# Altium PCB StarKit PCB.PcbDoc (part 1 of 2) (continued)
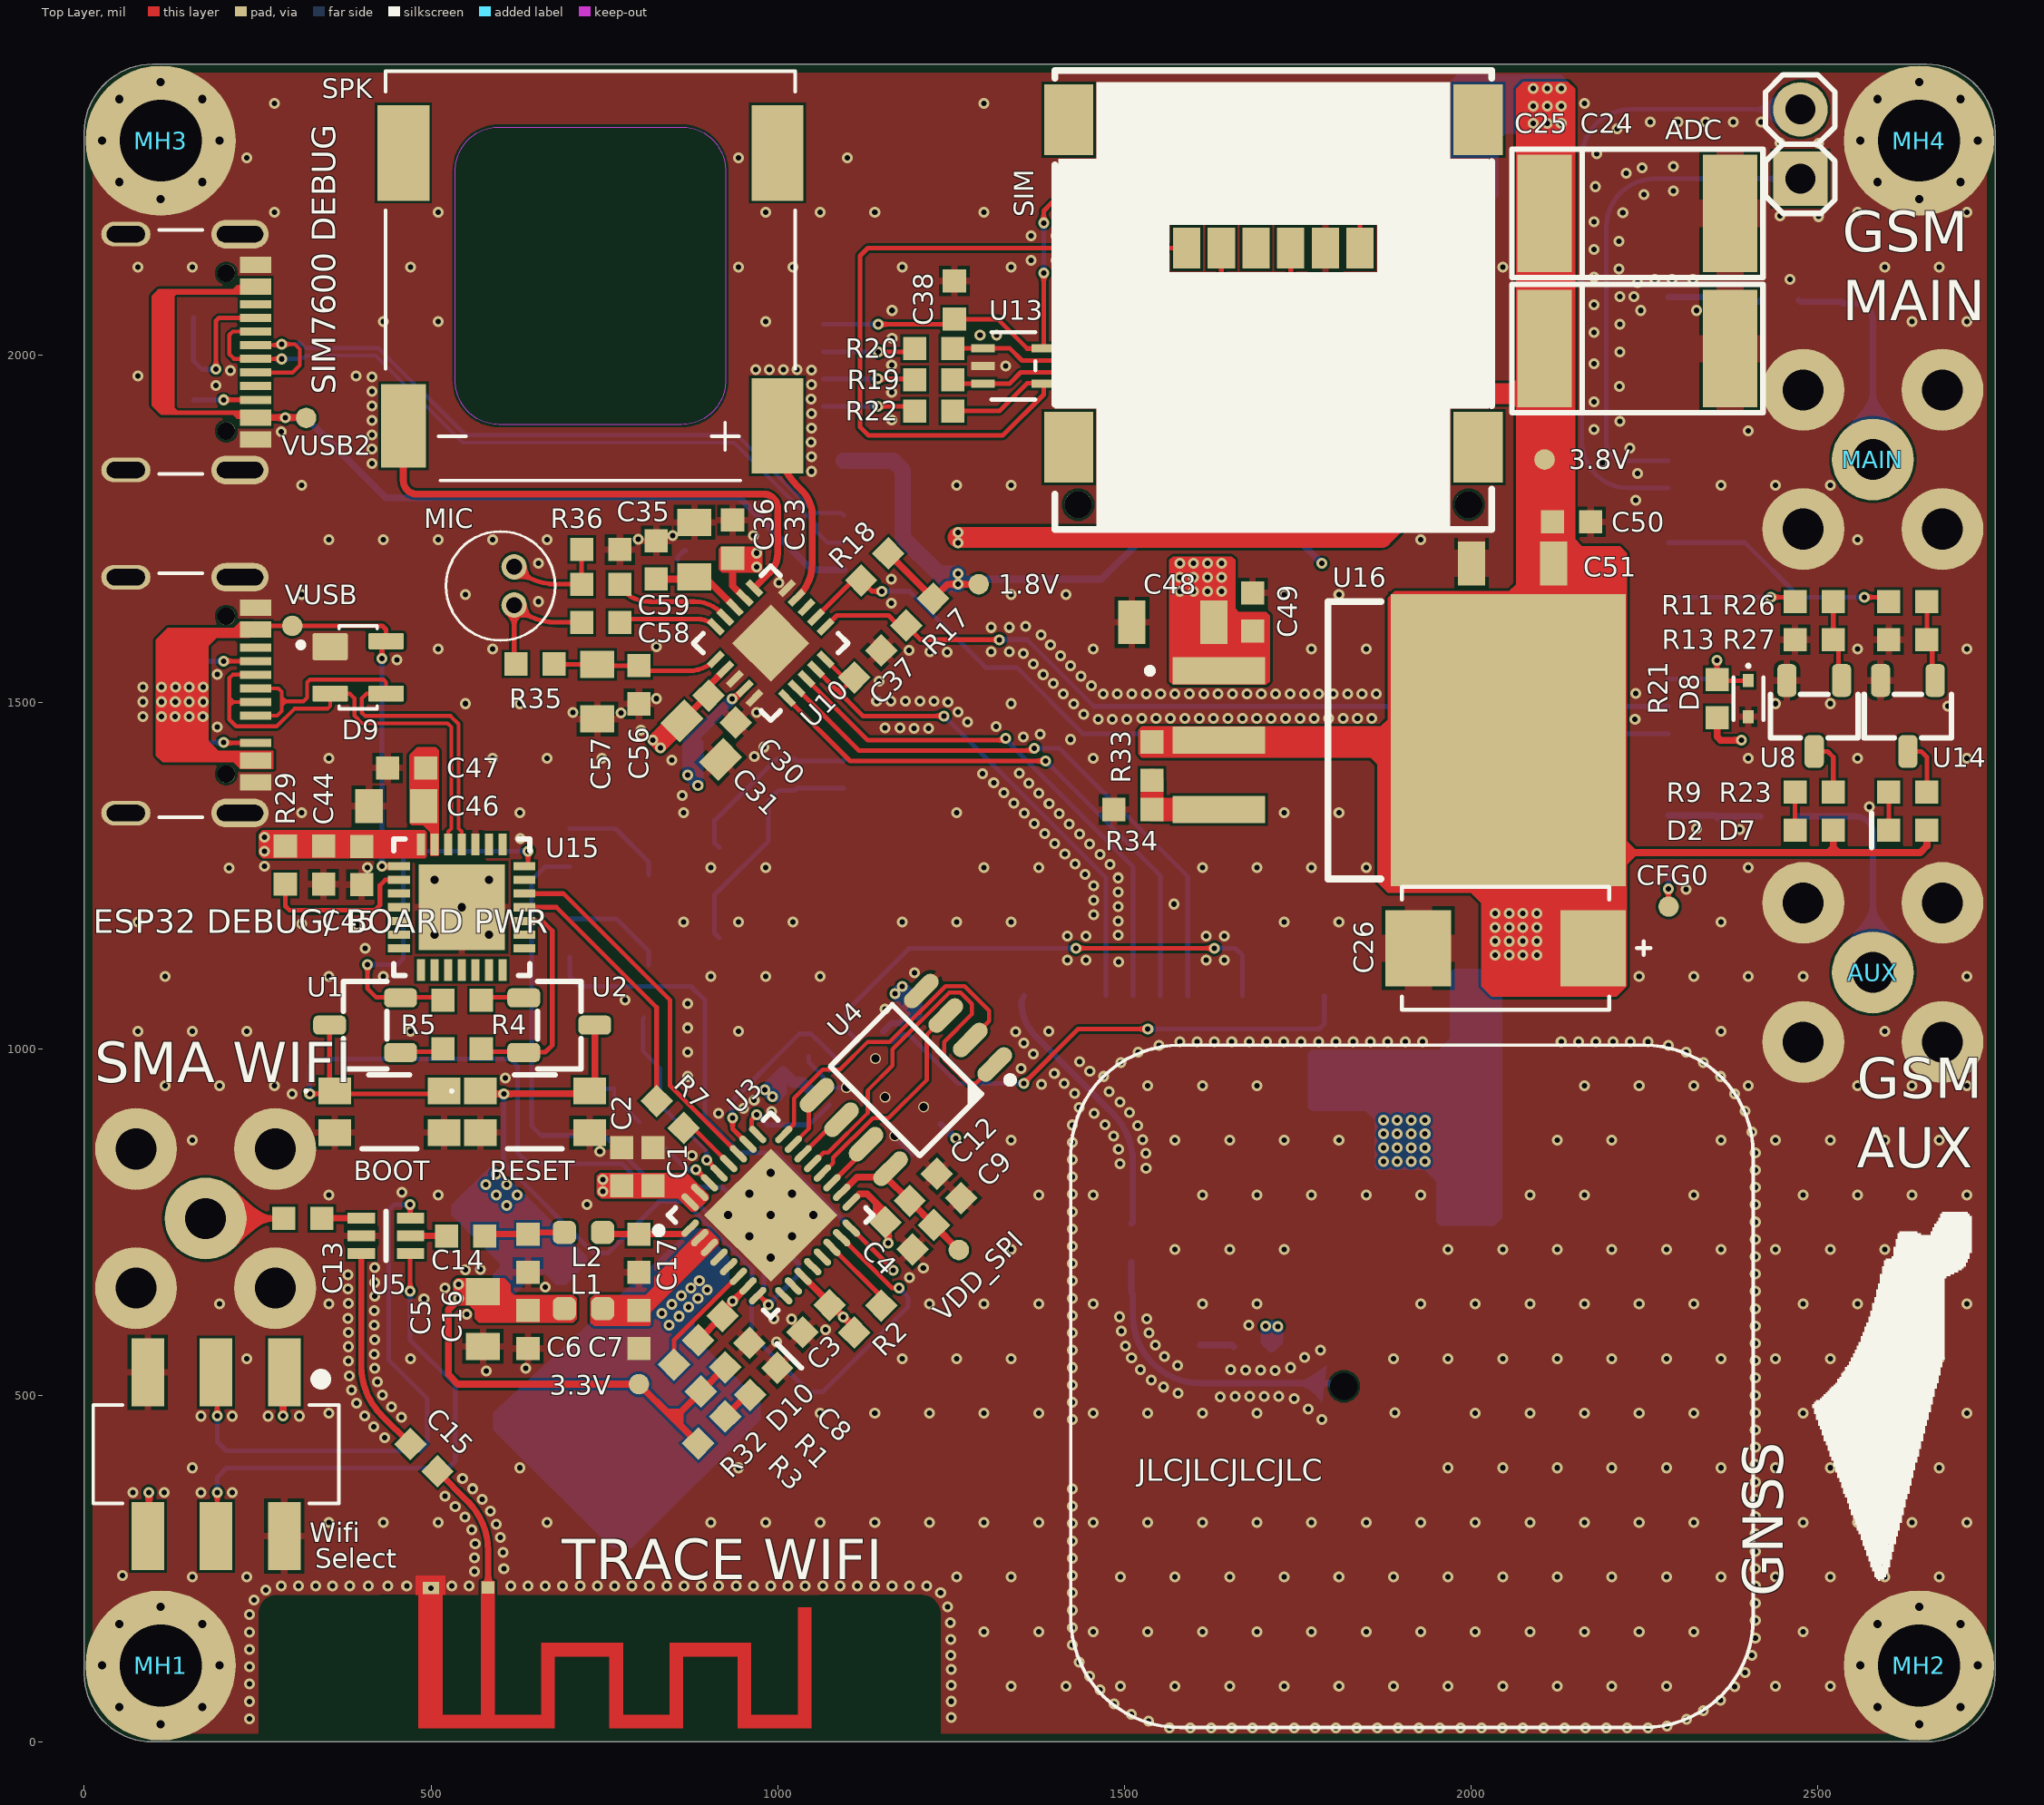
[diagram p0: Top Layer view]
## Part data (continued)
"ESP32 DEBUG/ BOARD PWR" "SIM7600 DEBUG": library part 12402012E212A, "USB Connectors USB2.0, Type C, Top mount, CH 1.68mm, Dual Row SMT", Manufacturer=Amphenol, Supplier Part Number=523-12402012E212A, Category=Connectors, Manufacturer Part Number=12402012E212A, Pricing="1=0.66, 10=0.523, 50=0.502, 100=0.46, 1000=0.345, 10000=0.293 (USD)", RoHS=No, Stock=14661, Supplier=Mouser, Supplier 1=Mouser, Supplier Part Number 1=523-12402012E212A
GNSS: library part APAE1575R2520ABDD7-T, "1575.42MHZ, 25*25*2mm GPS Patch Antenna", Manufacturer=Abracon, Supplier Part Number 1=815-1575R2520ABDD7T, Category="RF Antennas", ComponentLink1Description=https://datasheet.ciiva.com/6491/apae1575r2520abdd7-t-6491907.pdf?src-supplier=Digi-Key, ComponentLink1URL=https://datasheet.ciiva.com/6491/apae1575r2520abdd7-t-6491907.pdf?src-supplier=Digi-Key, ComponentLink2Description=https://datasheet.ciiva.com/12398/apae1575r2520abdd7-t-218096-12398364.pdf?src-supplier=Mouser, ComponentLink2URL=https://datasheet.ciiva.com/12398/apae1575r2520abdd7-t-218096-12398364.pdf?src-supplier=Mouser, Manufacturer Part Number=APAE1575R2520ABDD7-T, Pricing 1="1=1.7, 10=1.23, 50=1.23, 100=1.23, 1000=0.777, 10000=0.748 (USD)", RoHS=Yes, Stock 1=803, Supplier 1=Mouser
L1 L2 L3 L4 L5: library part "IND 0603", "IND SMD 0603"
MH1 MH2 MH3 MH4: library part "Mounting Hole M3", "Mounting Hole M3 Screw"
MIC: "4.0 mm, Omnidirectional, PCB Mount, 2.0 Vdc, Elecret Condenser Microphone", Manufacturer="CUI Devices", Supplier Part Number 1=490-CMEJ-0415-42-LP, Category=Microphones, ComponentLink1Description=https://www.cuidevices.com/product/resource/digikeypdf/cmej-0415-42-lp.pdf?src-supplier=Digi-Key, ComponentLink1URL=https://www.cuidevices.com/product/resource/digikeypdf/cmej-0415-42-lp.pdf?src-supplier=Digi-Key, Manufacturer Part Number=CMEJ-0415-42-LP, Pricing 1="1=0.43, 10=0.367, 50=0.367, 100=0.308, 1000=0.254, 10000=0.209 (USD)", RoHS=No, Stock 1=3285, Supplier 1=Mouser
R1 R2 R3 R4 R5 R6 R7 R8 R9 R10 R11 R12 R13 R14 R15 R16 R17 R18 R19 R20 R21 R22 R23 R24 R25 R26 R27 R28 R29 R30 R31 R32 R33 R34 R35 R36: library part "RES 0603", "RES SMD 0603"
Select: library part "MST22D18G2 125", "Swicth DPDT 0.1A 12V 10000 SMD Slide Switches"
SIM: library part C390997, "NanoSIM SMD SIM Card Connectors", ComponentLink1Description=LCSC, ComponentLink1URL=https://lcsc.com/product-detail/SIM-Card-Connectors_XUNPU-SMN-327_C390997.html, Publisher="Bastam Beyrami"
SPK: "Speakers ROHS", ComponentLink1Description=LCSC, ComponentLink1URL=https://www.lcsc.com/product-detail/Speakers_FUET-FS-1340_C482342.html
"TRACE WIFI": library part ANT_2.4_AN043, "Frequency 2.4 GHz             Typical Efficiency 68%               Bandwidth@ VSWR 2:0 101 MHz            Dimensions (mm) 15 x 8"
U1 U2 U7 U8 U9 U14: "MMBT2222 Series NPN 350 mW 40 V 600 mA SMT Small Signal Transistor - SOT-23", Case/Package=SOT-23, Collector Base Voltage (VCBO)=75V, Collector Emitter Breakdown Voltage=40V, Collector Emitter Saturation Voltage=1V, Continuous Collector Current=600mA, Current=1A, Emitter Base Voltage (VEBO)=6V, Frequency=300MHz, Manufacturer=Diodes, Max Operating Temperature=150°C, Max Power Dissipation=300mW, Min Operating Temperature=-55°C, Package Quantity=3000, Power Dissipation=350mW, Supplier Part Number 1=621-MMBT2222A-F, Category=BJTs, Collector Emitter Voltage (VCEO)=40V, Collector-emitter Voltage-Max=1V, ComponentLink1Description=https://datasheet.ciiva.com/15139/getdatasheetpartid-82692-15139078.pdf?src-supplier=Verical, ComponentLink1URL=https://datasheet.ciiva.com/15139/getdatasheetpartid-82692-15139078.pdf?src-supplier=Verical, ComponentLink2Description=https://datasheet.ciiva.com/8029/ds30041-8029709.pdf?src-supplier=Element14, ComponentLink2URL=https://datasheet.ciiva.com/8029/ds30041-8029709.pdf?src-supplier=Element14, ComponentLink3Description=https://datasheet.ciiva.com/11201/ds30041-11201864.pdf?src-supplier=Avnet, ComponentLink3URL=https://datasheet.ciiva.com/11201/ds30041-11201864.pdf?src-supplier=Avnet, ComponentLink4Description=https://datasheet.ciiva.com/16199/ds30041-16199045.pdf?src-supplier=Future+Electronics, ComponentLink4URL=https://datasheet.ciiva.com/16199/ds30041-16199045.pdf?src-supplier=Future+Electronics, ComponentLink5Description=https://datasheet.ciiva.com/11198/ds30041-11198965.pdf?src-supplier=Avnet, ComponentLink5URL=https://datasheet.ciiva.com/11198/ds30041-11198965.pdf?src-supplier=Avnet, ComponentLink6Description=https://datasheet.ciiva.com/972/ds30041-972551.pdf?src-supplier=Digi-Key, ComponentLink6URL=https://datasheet.ciiva.com/972/ds30041-972551.pdf?src-supplier=Digi-Key, ComponentLink7Description=https://datasheet.ciiva.com/972/ds30041-972552.pdf?src-supplier=Digi-Key, ComponentLink7URL=https://datasheet.ciiva.com/972/ds30041-972552.pdf?src-supplier=Digi-Key, ComponentLink8Description=https://datasheet.ciiva.com/972/ds30041-972550.pdf?src-supplier=Digi-Key, ComponentLink8URL=https://datasheet.ciiva.com/972/ds30041-972550.pdf?src-supplier=Digi-Key, Current Rating=600mA, Gain Bandwidth Product=300MHz, Height=1mm, hFE Min=100, Lead Free="Lead Free", Length=3.05mm, Manufacturer Part Number=MMBT2222A-7-F, Max Breakdown Voltage=40V, Max Collector Current=600mA, Max Frequency=300MHz, Mount="Surface Mount", Number of Elements=1, Number of Pins=3, Packaging="Tape and Reel", Polarity=NPN, Pricing 1="1=0.14, 10=0.097, 50=0.097, 100=0.041, 1000=0.028, 10000=0.016 (USD)", Radiation Hardening=No, Reach SVHC Compliant=No, RoHS=Yes, RoHS Compliant=Yes, Series="Automotive, AEC-Q101", Stock 1=1332144, Supplier 1=Mouser, Termination=SMD/SMT, Transition Frequency=300MHz, Voltage=40V, Voltage Rating (DC)=40V, Weight=0.000282oz, Width=1.4mm
U3: "SoC 32-Bit RISC 160MHz Single Core 4MB 32-Pin QFN T/R", Manufacturer="Espressif Systems", Supplier Part Number 1=356-ESP32-C3FH4, Manufacturer Part Number=ESP32-C3FH4, Pricing 1="1=1.3, 10=1.3, 50=1.3, 100=1.3, 1000=1.3, 10000=1.3 (USD)", RoHS=No, Stock 1=6949, Supplier 1=Mouser
U4: "NOR Flash Serial (SPI, Dual SPI, Quad SPI) 3.3V 4M-bit 512K x 8 7ns Tube", Manufacturer=Renesas, Supplier Part Number=988-AT25SF041-SSH-B, Category=Memory, Manufacturer Part Number=AT25SF041B-SSHB-B, Pricing="1=0.42, 10=0.38, 50=0.38, 100=0.333, 1000=0.326, 10000=0.287 (USD)", RoHS=No, Stock=14517, Supplier=Mouser, Supplier 1=Mouser, Supplier Part Number 1=988-AT25SF041-SSH-B
U5: "RF Switch SPDT 0.02MHz to 4GHz 20dB Automotive 6-Pin SC-88 T/R / IC SW SPDT DC-3GHZ GAAS SC70-6", Manufacturer="Skyworks Solutions", Supplier Part Number=873-AS179-92LF, Category="Integrated Circuits (ICs)", ComponentLink1Description=https://datasheet.ciiva.com/12080/200176g-18773-12080182.pdf?src-supplier=Mouser, ComponentLink1URL=https://datasheet.ciiva.com/12080/200176g-18773-12080182.pdf?src-supplier=Mouser, ComponentLink2Description=https://datasheet.ciiva.com/15100/getdatasheetpartid-658205-15100462.pdf?src-supplier=Verical, ComponentLink2URL=https://datasheet.ciiva.com/15100/getdatasheetpartid-658205-15100462.pdf?src-supplier=Verical, ComponentLink3Description=https://datasheet.ciiva.com/22694/1909043-22694026.pdf?src-supplier=Element14, ComponentLink3URL=https://datasheet.ciiva.com/22694/1909043-22694026.pdf?src-supplier=Element14, ComponentLink4Description=https://datasheet.ciiva.com/2799/200176g-2799448.pdf?src-supplier=Digi-Key, ComponentLink4URL=https://datasheet.ciiva.com/2799/200176g-2799448.pdf?src-supplier=Digi-Key, ComponentLink5Description=https://datasheet.ciiva.com/2799/200176g-2799449.pdf?src-supplier=Digi-Key, ComponentLink5URL=https://datasheet.ciiva.com/2799/200176g-2799449.pdf?src-supplier=Digi-Key, ComponentLink6Description=https://datasheet.ciiva.com/2799/200176g-2799450.pdf?src-supplier=Digi-Key, ComponentLink6URL=https://datasheet.ciiva.com/2799/200176g-2799450.pdf?src-supplier=Digi-Key, Manufacturer Part Number=AS179-92LF, Pricing="1=1.19, 10=1.02, 50=1.02, 100=0.778, 1000=0.543, 10000=0.462 (USD)", RoHS=Yes, Stock=56001, Supplier=Mouser, Supplier 1=Mouser, Supplier Part Number 1=873-AS179-92LF
U6: "RF TXRX MODULE CELLULAR LTE SMD"
U10: "IC Audio Codec Mono 20QFN", Case/Package=QFN, Manufacturer=Nuvoton, Max Operating Temperature=85°C, Min Operating Temperature=-40°C, Supplier Part Number=NAU8810YG-ND, Category="Integrated Circuits (ICs)", ComponentLink1Description=https://datasheet.ciiva.com/18624/nau8810-datasheet-rev-1-2-18624999.pdf?src-supplier=Digi-Key, ComponentLink1URL=https://datasheet.ciiva.com/18624/nau8810-datasheet-rev-1-2-18624999.pdf?src-supplier=Digi-Key, Manufacturer Part Number=NAU8810YG, Mounting Technology="Surface Mount", Packaging=Tray, Pricing="1=2.56, 10=2.302, 25=2.1716, 80=1.85013, 230=1.73722, 490=1.52004, 980=1.25947, 2450=1.17261, 4900=1.12918 (USD)", Resolution=24b, RoHS=No, Series=emPowerAudio™, Stock=27148, Supplier=Digi-Key, Supplier 1=Digi-Key, Supplier Part Number 1=NAU8810YG-ND
U13: "ESDA Series 4 Channel 6.1V 90 pF SMT Uni-Directional Transil Array - SOT-323-5L", Breakdown Voltage=7.2V, Case/Package=SOT-323, Leakage Current=1uA, Manufacturer=STMicroelectronics, Max Operating Temperature=125°C, Min Breakdown Voltage=6.1V, Min Operating Temperature=-40°C, Operating Supply Voltage=3V, Package Quantity=1, Peak Pulse Current=15A, Peak Pulse Power=150W, Power Line Protection=No, Supplier Part Number=511-ESDA6V1W5, Test Current=1mA, Category="TVS Diodes", ComponentLink1Description=https://datasheet.ciiva.com/15143/getdatasheetpartid-134557-15143650.pdf?src-supplier=Verical, ComponentLink1URL=https://datasheet.ciiva.com/15143/getdatasheetpartid-134557-15143650.pdf?src-supplier=Verical, ComponentLink2Description=https://datasheet.ciiva.com/1276/1671027-1276908.pdf?src-supplier=Element14, ComponentLink2URL=https://datasheet.ciiva.com/1276/1671027-1276908.pdf?src-supplier=Element14, ComponentLink3Description=https://datasheet.ciiva.com/22695/1671027-22695673.pdf?src-supplier=Element14, ComponentLink3URL=https://datasheet.ciiva.com/22695/1671027-22695673.pdf?src-supplier=Element14, ComponentLink4Description=https://datasheet.ciiva.com/338/cd00064033-338380.pdf?src-supplier=Digi-Key, ComponentLink4URL=https://datasheet.ciiva.com/338/cd00064033-338380.pdf?src-supplier=Digi-Key, ComponentLink5Description=https://datasheet.ciiva.com/338/cd00064033-338379.pdf?src-supplier=Digi-Key, ComponentLink5URL=https://datasheet.ciiva.com/338/cd00064033-338379.pdf?src-supplier=Digi-Key, ComponentLink6Description=https://datasheet.ciiva.com/338/cd00064033-338381.pdf?src-supplier=Digi-Key, ComponentLink6URL=https://datasheet.ciiva.com/338/cd00064033-338381.pdf?src-supplier=Digi-Key, ComponentLink7Description=https://datasheet.ciiva.com/41443/001184222-da-01-en-transil-array-da-esda6v1w5-sot-323-5-stm-41443642.pdf?src-supplier=Conrad, ComponentLink7URL=https://datasheet.ciiva.com/41443/001184222-da-01-en-transil-array-da-esda6v1w5-sot-323-5-stm-41443642.pdf?src-supplier=Conrad, Depth=1.35mm, Diode Type=ZENER, Direction=Unidirectional, ESD Protection=Yes, Height=1mm, Lead Free="Lead Free", Length=2.2mm, Manufacturer Part Number=ESDA6V1W5, Max Breakdown Voltage=7.2V, Max Reverse Leakage Current=1uA, Mounting Technology="Surface Mount", Number of Channels=4, Number of Elements=4, Number of Unidirectional Channels=4, Packaging="Tape and Reel", Pins=5, Polarity=Unidirectional, Pricing="1=0.43, 10=0.362, 50=0.362, 100=0.285, 1000=0.178, 10000=0.125 (USD)", Radiation Hardening=No, Reach SVHC Compliant=No, Reverse Breakdown Voltage=6.1V, Reverse Standoff Voltage=3V, RoHS=Yes, RoHS Compliant=Yes, Series="ESDA, TRANSIL™", Stock=3674, Supplier=Mouser, Supplier 1=Mouser, Supplier Part Number 1=511-ESDA6V1W5, Termination=SMD/SMT, Voltage Rating (DC)=6.1V, Width=1.35mm, Working Voltage=3V
U15: "Interface IC low speed/full speed USB to UART bridge USB 2.0 3.3V, CP2102-GMR, VFQFN-28", Case/Package=QFN, Manufacturer="Silicon Labs", Max Operating Temperature=85°C, Max Supply Voltage=3.6V, Min Operating Temperature=-40°C, Min Supply Voltage=3V, Operating Supply Current=20mA, Package Quantity=1500, Supplier Part Number 1=634-CP2102-GMR, Supply Current=26mA, Category="Interface ICs", ComponentLink1Description=https://datasheet.ciiva.com/6636/cp2102-9-6636566.pdf?src-supplier=Digi-Key, ComponentLink1URL=https://datasheet.ciiva.com/6636/cp2102-9-6636566.pdf?src-supplier=Digi-Key, ComponentLink2Description=https://datasheet.ciiva.com/6636/cp2102-9-6636571.pdf?src-supplier=Digi-Key, ComponentLink2URL=https://datasheet.ciiva.com/6636/cp2102-9-6636571.pdf?src-supplier=Digi-Key, Contact Plating=Tin, Data Rate=1000Kbps, Interface=UART, Lead Free="Lead Free", Manufacturer Part Number=CP2102-GMR, Mount="Surface Mount", Number of Channels=1, Number of Pins=28, Packaging="Tape and Reel", Pricing 1="1=9.23, 10=8.41, 50=7.82, 100=6.93, 1000=5.28, 10000=5.16 (USD)", Radiation Hardening=No, RoHS=Yes, RoHS Compliant=Yes, Series=-, Stock 1=44709, Supplier 1=Mouser, Weight=0.00239oz
U16: library part LM1085ISX-ADJ/NOPB, "3-A, 29-V, linear voltage regulator 3-DDPAK/TO-263 -40 to 125", Manufacturer="TI National Semiconductor", Supplier Part Number=926-LM1085ISXADJNOPB, Category="Voltage Regulators - Linear", ComponentLink1Description=https://datasheet.ciiva.com/6582/lm1085-6582736.pdf?src-supplier=Digi-Key, ComponentLink1URL=https://datasheet.ciiva.com/6582/lm1085-6582736.pdf?src-supplier=Digi-Key, ComponentLink2Description=https://datasheet.ciiva.com/41457/001013601-da-01-en-ic-reg-l-lm1085isx-adj-nopb-to-263-3-tid-41457358.pdf?src-supplier=Conrad, ComponentLink2URL=https://datasheet.ciiva.com/41457/001013601-da-01-en-ic-reg-l-lm1085isx-adj-nopb-to-263-3-tid-41457358.pdf?src-supplier=Conrad, Manufacturer Part Number=LM1085ISX-ADJ/NOPB, Pricing="1=2.08, 10=1.83, 50=1.83, 100=1.47, 1000=1.02, 10000=0.896 (USD)", RoHS=Yes, Stock=9505, Supplier=Mouser, Supplier 1=Mouser, Supplier Part Number 1=926-LM1085ISXADJNOPB
U17: "IC REG LDO 3.3V 1.5A DPAK", Case/Package=TO-252, Dropout Voltage=1.3V, Input Bias Current=5mA, Manufacturer=STMicroelectronics, Max Operating Temperature=125°C, Max Output current=1.5A, Max Supply Voltage=30V, Min Input Voltage=6.3V, Min Operating Temperature=-40°C, Min Output Voltage=3.3V, Package Quantity=1, Quiescent Current=10mA, Supplier Part Number=511-LD1086DT33-TR, Accuracy=1%, Category="Voltage Regulators - Linear", ComponentLink1Description=https://datasheet.ciiva.com/1511/1880971-1511550.pdf?src-supplier=Element14, ComponentLink1URL=https://datasheet.ciiva.com/1511/1880971-1511550.pdf?src-supplier=Element14, ComponentLink2Description=https://datasheet.ciiva.com/1511/1880971-1511549.pdf?src-supplier=Element14, ComponentLink2URL=https://datasheet.ciiva.com/1511/1880971-1511549.pdf?src-supplier=Element14, ComponentLink3Description=https://datasheet.ciiva.com/2043/cd00001884-2043961.pdf?src-supplier=Digi-Key, ComponentLink3URL=https://datasheet.ciiva.com/2043/cd00001884-2043961.pdf?src-supplier=Digi-Key, ComponentLink4Description=https://datasheet.ciiva.com/2043/cd00001884-2043960.pdf?src-supplier=Digi-Key, ComponentLink4URL=https://datasheet.ciiva.com/2043/cd00001884-2043960.pdf?src-supplier=Digi-Key, ComponentLink5Description=https://datasheet.ciiva.com/2043/cd00001884-2043962.pdf?src-supplier=Digi-Key, ComponentLink5URL=https://datasheet.ciiva.com/2043/cd00001884-2043962.pdf?src-supplier=Digi-Key, ComponentLink6Description=https://datasheet.ciiva.com/3225/cd00001884-3225081.pdf?src-supplier=Avnet, ComponentLink6URL=https://datasheet.ciiva.com/3225/cd00001884-3225081.pdf?src-supplier=Avnet, ComponentLink7Description=https://datasheet.ciiva.com/16496/cd00001884-16496030.pdf?src-supplier=Future+Electronics, ComponentLink7URL=https://datasheet.ciiva.com/16496/cd00001884-16496030.pdf?src-supplier=Future+Electronics, Height=2.4mm, Lead Free="Lead Free", Length=6.6mm, Manufacturer Part Number=LD1086DT33TR, Mounting Technology="Surface Mount", Nominal Output Voltage=3.3V, Number of Outputs=1, Number of Regulators=1, Output Current=1.5A, Output Type=Fixed, Output Voltage=3.3V, Packaging="Cut Tape", Pins=3, Polarity=Positive, Pricing="1=1.61, 10=1.44, 50=1.35, 100=1.13, 1000=0.733, 10000=0.687 (USD)", Radiation Hardening=No, Reach SVHC Compliant=No, RoHS=Yes, RoHS Compliant=Yes, Series=-, Stock=228, Supplier=Mouser, Supplier 1=Mouser, Supplier Part Number 1=511-LD1086DT33-TR, Width=6.2mm
U18: "IC 8-BIT TRNSLTR 15KV ESD 20VQFN", Manufacturer="Texas Instruments", Supplier Part Number 1=595-TXB0108RGYR, Category="Voltage Level Shifters", ComponentLink1Description=https://datasheet.ciiva.com/15096/getdatasheetpartid-172984-15096214.pdf?src-supplier=Verical, ComponentLink1URL=https://datasheet.ciiva.com/15096/getdatasheetpartid-172984-15096214.pdf?src-supplier=Verical, ComponentLink2Description=https://datasheet.ciiva.com/1899/txb0108-1899601.pdf?src-supplier=Digi-Key, ComponentLink2URL=https://datasheet.ciiva.com/1899/txb0108-1899601.pdf?src-supplier=Digi-Key, ComponentLink3Description=https://datasheet.ciiva.com/1899/txb0108-1899602.pdf?src-supplier=Digi-Key, ComponentLink3URL=https://datasheet.ciiva.com/1899/txb0108-1899602.pdf?src-supplier=Digi-Key, ComponentLink4Description=https://datasheet.ciiva.com/1899/txb0108-1899603.pdf?src-supplier=Digi-Key, ComponentLink4URL=https://datasheet.ciiva.com/1899/txb0108-1899603.pdf?src-supplier=Digi-Key, ComponentLink5Description=https://datasheet.ciiva.com/1508/1811182-1508728.pdf?src-supplier=Element14, ComponentLink5URL=https://datasheet.ciiva.com/1508/1811182-1508728.pdf?src-supplier=Element14, Manufacturer Part Number=TXB0108RGYR, Pricing 1="1=1.54, 10=1.32, 50=1.32, 100=1.12, 1000=0.763, 10000=0.671 (USD)", RoHS=Yes, Stock 1=27868, Supplier 1=Mouser
X1: library part ECS-400-10-37B2-CKY-TR, "Crystal 40MHz 10pF 4-Pin SMD ECX-1637B2 T/R", Manufacturer="ECS International", Supplier Part Number 1=520-400-10-37B2CKYTR, Category=Uncategorized, Manufacturer Part Number=ECS-400-10-37B2-CKY-TR, Pricing 1="1=0.38, 10=0.285, 50=0.285, 100=0.253, 1000=0.203, 10000=0.176 (USD)", RoHS=No, Stock 1=5766, Supplier 1=Mouser

## Via types
v1: diameter 15.75, hole 7.87, Top Layer to Bottom Layer, tented both sides, 1076 vias
v2: diameter 23.62, hole 11.81, Top Layer to Bottom Layer, 32 vias
v3: diameter 19.68, hole 11.81, Top Layer to Bottom Layer, tented both sides, 9 vias

## Nets (pads, with @x,y where several pads share a name; then routed paths per layer and width w, separated by ;. In a path a pad name is that pad's centre, name@x,y a point inside that pad or via, vN(x,y) a via of type N, cw(c..) or ccw(c..) an arc to the next point about the centre after c; other vN are vias at no path point)
+3.8V: 3.8V.1 C18.1 C19.1 C20.1 C21.1 C22.1 C23.1 C24.1 C25.1 C26.1 C33.1 C34.2 C50.1 C51.2 D2.2 D7.2 R33.2 U6.38 U6.39 U6.62 U6.63 U10.17 U16.2 U16.4 | length 3083.7
  Top Layer w10: C33.1@935,1707.44 935,1667.84 U10.17@952.42,1650.42 ; U16.4@2053.66,1445 2072.83,1445 2235,1282.83 ; 2072.83,1120.66 2235,1282.83 ; U16.4@2200,1270 2212.83,1282.83 2235,1282.83 ; 2516.42,1284.51 2522.56,1290.65 ; D2.2@2522.56,1315 2522.56,1290.65 ; 2528.93,1284.51 2528.7,1284.51 2522.56,1290.65 ; D7.2@2657.56,1315 2657.56,1292.56 2647.83,1282.83 2520,1282.83 ; 2235,1282.83 2520,1282.83 ; 2520,1282.83 2522.56,1285.39 2522.56,1290.65
  Top Layer w15.75: v1(1260,1730) 1260,1737.69 v1(1260,1745)
  Top Layer w30: v1@1260,1737.69 1871.04,1737.69 1900,1766.66 1900,1920 1925,1945 C24.1@2110,1945 ; U16.4@2053.66,1445 U16.4@2053.66,1486.34 ; C24.1@2068.95,1942.02 2106.14,1904.82 ; C24.1@2068.95,1947.98 2106.14,1985.18 C24.1@2106.14,2010 ; 2086.36,1921.67 2090,1918.03 2090,1915
  Int2 (GND) w15.75: v1(970,1695) v1(970,1715) 975,1710 1225,1710 v1(1260,1745) v1(1260,1730) 1229.16,1699.16 974.16,1699.16 v1(970,1695)
  Bottom Layer w15.75: C34.2@934.37,1705 970,1705 ; C34.2@934.37,1705 944.37,1695 v1(970,1695) 970,1705 ; C34.2@934.37,1705 944.37,1715 v1(970,1715) 970,1705
  other v1: 1873.7,837.07 1893.7,837.07 1913.7,837.07 1933.7,837.07 1873.7,857.07 1893.7,857.07 1913.7,857.07 1933.7,857.07 1873.7,877.07 1893.7,877.07 1913.7,877.07 1933.7,877.07 1873.7,897.07 1893.7,897.07 1913.7,897.07 1933.7,897.07 2035,1135 2055,1135 2075,1135 2095,1135 2035,1155 2055,1155 2075,1155 2095,1155 2035,1175 2055,1175 2075,1175 2095,1175 2035,1195 2055,1195 2075,1195 2095,1195 2090,2335 2110,2335 2130,2335 2090,2360 2110,2360 2130,2360 2090,2385 2110,2385 2130,2385
+3V3: 3.3V.1 C1.1 C2.1 C3.1 C4.1 C5.2 C6.1 C30.1 C31.2 C54.1 C55.2 C61.1 L1.1 R1.1 R2.2 R3.2 R25.2 R32.2 Select.1 Select.6 U3.11 U3.17 U3.31 U3.32 U10.2 U17.2 U18.19 | length 4009.9
  Top Layer w9.84: U3.11@1036.63,671.61 1076.62,631.62 1110.51,597.73 R2.2@1110.51,590.51 ; U3.17@1106.23,778.79 1118.21,790.78 1129.22,790.78 1142.37,777.63 ; C4.1@1148.96,758.43 1142.37,765.02 ; 1142.37,765.02 1142.37,777.63 ; 1142.37,765.02 1142.37,762.63 C4.1@1155.51,749.49 1155.51,764.49 1142.37,777.63
  Top Layer w10: Select.6@91.57,296.89 93.33,298.64 v1(93.33,359.56) ; v1(286.67,470.44) 286.67,531.36 Select.1@288.43,533.11 ; v1(540,640) 540,638.44 525,623.44 525,530 538.94,516.06 3.3V.1@799.96,516.06 848.01,468.01 ; 843.46,475.51 859.49,475.51 ; C31.2@862.16,1467.16 C31.2@862.16,1472.84 898.81,1509.49 C30.1@900.51,1509.49 900.51,1523.35 U10.2@924.58,1547.42 ; R32.2@885.51,430.51 858.01,458.01 ; R1.1@924.49,540.51 R3.2@889.49,505.51 859.49,475.51 ; C4.1@1155.51,749.49 1159.68,745.32 v1(1159.68,719.3) ; 848.01,468.01 858.01,458.01 ; 848.01,468.01 851.99,468.01 859.49,475.51 ; 858.01,458.01 859.49,459.49 859.49,475.51
  Top Layer w15.75: C31.2@862.16,1467.16 862.16,1465.26 v1(830.91,1434.01) 825.27,1439.65 ; C31.2@862.16,1472.84 C31.2@847.19,1472.84 ; 825.27,1439.65 847.19,1461.56 C31.2@847.19,1472.84 ; 825.27,1439.65 v1(819.64,1445.29) C31.2@847.19,1472.84
  Int2 (GND) w10: v1(93.33,359.56) 93.33,398.33 110,415 280,415 ; v1(286.67,470.44) 286.67,421.67 ; 650,600 610,560 610,500 525,415 293.35,415 ; 884.63,695 890,695 ; 280,415 286.67,421.67 ; 280,415 286.67,415 ; 286.67,415 293.35,415 ; 286.67,415 286.67,421.67 ; 286.67,421.67 293.35,415
  Int2 (GND) w15.75: v1(819.64,1445.29) v1(830.91,1434.01)
  Int2 (GND) w40: v1@840,615 840,610 846.13,603.87 1040,410 1900,410 1925,435 1925,575 1900,600 v1@1715,600
  Bottom Layer w6: 1045.96,941.61 1064.25,941.61 U18.19@1066.36,939.5 ; 1060,940 1062.66,937.34 1062.66,935.09 U18.19@1060.35,932.78
  Bottom Layer w15.75: C61.1@1005.37,937.82 998.45,930.89 v1(992.43,930.89) ; U18.19@1055.34,932.23 1045.96,941.61 1036.57,951 1021.87,951 1021.87,952.67 C61.1@1007.83,966.7 ; v1(1703.89,599.58) v1@1704.22,599.58 ; v1(981.7,940.91) 1007.49,966.7 C61.1@1007.83,966.7 ; v1(981.7,940.91) 991.72,930.89 v1(992.43,930.89) ; v1(981.7,940.91) 983.38,940.91 992.99,950.51 C61.1@1005.51,950.51 ; v1(992.43,930.89) 1005.51,943.98 C61.1@1005.51,950.51 ; C61.1@1005.51,950.51 1005.51,963.04 1007.83,965.36 C61.1@1007.83,966.7 ; R25.2@1704.22,578.34 v1@1704.22,599.58 ; R25.2@1704.22,578.34 1712.72,586.85 1712.72,599.58 ; R25.2@1704.22,578.34 R25.2@1712.56,570 1721.38,578.82 v1(1721.38,599.42) 1721.22,599.58 1712.72,599.58 ; v1@1704.22,599.58 1712.72,599.58
  other v1: 843.61,601.35 1094.8,612.86 858.13,613.91 833.01,618.25 871.67,627.21 847.49,631.32 885,640 861.39,643.53 898.56,652.42 875,655 540.13,660.03 886.97,665.45 748.12,794.4 747.74,811.35
ADC1: ADC.2 U6.47 | length 926.8
  Bottom Layer w6.68: U6.47@2284.49,1808.78 2227.23,1808.78 cw(c2227.23,1876.01) 2160,1876.01 2160,2285 cw(c2230,2285) 2230,2355 ADC.2@2475,2355
ADC2: ADC.1 U6.46 | length 734.6
  Bottom Layer w6.68: U6.46@2284.49,1848.15 2222.18,1848.15 cw(c2222.18,1875.33) 2195,1875.33 2195,2185 cw(c2265,2185) 2265,2255 ADC.1@2475,2255
ANT_1: "SMA WIFI.1" C13.2 | length 112.4
  Top Layer w9.01: 175,755 C13.2@287.44,755
ANT_2: "TRACE WIFI.1" C15.2 | length 193.8
  Top Layer w9.01: C15.2@509.49,390.51 553.16,346.84 cw(c482.45,276.12) 582.45,276.12 582.45,222.65
AUX_ANT: C42.1 R28.1 U6.59 | length 136.6
  Bottom Layer w9.01: U6.59@2284.49,1336.34 2351.1,1336.34 cw(c2351.1,1332.44) C42.1@2355,1332.44 cw(c2357.56,1332.44) 2357.56,1335 R28.1@2417.44,1335
AUX_FEED: AUX.1 C43.1 R28.2 | length 325.5
  Bottom Layer w9.01: R28.2@2472.56,1335 C43.1@2532.44,1335 ; C43.1@2535,1332.44 ccw(c2532.44,1332.44) C43.1@2532.44,1335 ; AUX.1@2579.61,1110 2579.61,1310.39 ccw(c2555,1310.39) 2555,1335 C43.1@2532.44,1335
BOOT_CFG0: CFG0.1 U6.85 | length 52.8
  Top Layer w6.68: v1(2284.49,1230.51) 2284.49,1205.51 CFG0.1@2285,1205
  Bottom Layer w6.68: v1(2284.49,1230.51) U6.85@2284.49,1257.6
CC1_A: "ESP32 DEBUG/ BOARD PWR.A5" R30.2 | length 88.7
  Top Layer w6.68: v1(200.79,1559) 201,1559.21 247.01,1559.21
  Bottom Layer w6.68: R30.2@158.35,1559 v1(200.79,1559)
CC1_A_2: "SIM7600 DEBUG.A5" R15.2 | length 230
  Top Layer w6.68: v1(190,1980) 190,2050 194.21,2054.21 247.01,2054.21
  Bottom Layer w6.68: R15.2@158.35,2054.21 R15.2@157.56,2055 157.56,1992.44 170,1980 v1(190,1980)
CC1_B: "ESP32 DEBUG/ BOARD PWR.B5" R31.2 | length 88.7
  Top Layer w6.68: v1(200.79,1442) 201.69,1441.1 247.01,1441.1
  Bottom Layer w6.68: R31.2@158.66,1442 v1(200.79,1442)
CC1_B_2: "SIM7600 DEBUG.B5" R16.2 | length 89.9
  Top Layer w6.68: v1(200.79,1936.1) 247.01,1936.1
  Bottom Layer w6.68: R16.2@157.56,1935 158.66,1936.1 v1(200.79,1936.1)
CODEC_VREF: C35.1 C36.2 U10.18 | length 130.5
  Top Layer w10: C35.1@825,1677.44 897.56,1677.44 U10.18@938.5,1636.5
DTR: R5.2 U1.2 U15.28 | length 558.7
  Top Layer w6.68: v1(408.58,1121.42) 408.58,1086.42 420.63,1074.37 456.18,1074.37 513.07,1074.37 R5.2@517.44,1070 ; U15.28@635,1263.11 640,1268.11 v1(640,1285)
  Bottom Layer w6.68: v1(408.58,1121.42) 451.42,1121.42 460,1130 460,1275 470,1285 v1(640,1285)
DTR_B: R5.1 U2.1 | length 63.1
  Top Layer w6.68: R5.1@572.56,1070 576.93,1074.37 U2.1@633.82,1074.37
ESP32_ANT: C14.1 C16.1 L2.1 | length 116.2
  Top Layer w9.01: C14.1@577.56,730 cw(c583.74,723.82) 583.74,732.56 C16.1@640,732.56 cw(c645.89,726.67) 645.89,735 L2.1@692.44,735
ESP32_BOOT: BOOT.1 BOOT.2 U1.3 U3.15 | length 1753.5
  Top Layer w6.68: v1(325,935) 356.26,935 BOOT.1@361.26,940 ; U1.3@353.82,1035 353.82,947.44 BOOT.1@361.26,940 ; BOOT.2@518.74,940 513.74,935 366.26,935 BOOT.1@361.26,940 ; U3.15@1092.31,727.29 1164.6,655 v1(1175,655)
  Bottom Layer w6.68: v1(325,935) 325,975 335,985 615,985 624.82,975.18 624.82,850.18 640.87,834.13 775.54,834.13 819.85,789.82 871.72,789.82 980,681.54 980,655 962.37,637.37 962.37,587.63 1045,505 1065,505 1188.44,628.44 1188.44,641.56 v1(1175,655)
ESP32_EN: C8.1 R1.2 RESET.1 RESET.2 U2.3 U3.7 | length 1008.8
  Top Layer w9.84: RESET.1@571.26,940 576.26,935 v1(605,935) 723.74,935 728.74,940 736.18,947.44 U2.3@736.18,1035 ; C8.1@920.51,614.49 920.51,620.92 v1(935.26,635.66) U3.7@957.29,657.69
  Top Layer w10: R1.2@885.51,579.49 C8.1@920.51,614.49
  Bottom Layer w6.68: v1(605,935) 605,835 735,705 755,705 829.64,779.64 865.26,779.64 941.35,703.56 941.35,703.65 962.97,682.03 962.97,663.37 v1(935.26,635.66)
ESP32_LNA: C17.1 L2.2 U3.1 | length 130.5
  Top Layer w9.01: L2.2@747.56,735 ccw(c753.44,740.88) 753.44,732.56 C17.1@800,732.56 865.12,732.56 U3.1@873.77,741.21
ESP32_VDD3P3: C7.1 L1.2 U3.2 U3.3
ESP_RX: U3.26 U18.20 | length 296.9
  Top Layer w6.68: v1(935,900) 935,884.6 U3.26@957.29,862.31
  Bottom Layer w6.68: v1(935,900) 933.7,901.3 933.7,923.7 1031.49,1021.49 1047.94,1021.49 1054.43,1015 1055,1015 1082.98,987.02 1082.98,977.68 U18.20@1074.27,968.97
ESP_TX: U3.25 U18.18 | length 158.1
  Top Layer w6.68: v1(970,905) 962.28,897.28 962.28,885.16 U3.25@971.21,876.23
  Bottom Layer w6.68: v1(970,905) 985,890 1045.41,890 U18.18@1074.27,918.86
FB_ADJ: R33.1 R34.1 U16.3 | length 138.7
  Top Layer w33.47: R33.1@1540,1387.44 1540,1345.06 R34.1@1540.06,1345 U16.3@1636.34,1345
FLIGHTMODE: D8.1 R21.1 U6.54 | length 167.2
  Top Layer w6.68: v1(2354.71,1560.25) 2354.71,1532.85 R21.1@2355,1532.56 2356.57,1530.98 D8.1@2400,1530.98
  Bottom Layer w6.68: U6.54@2284.49,1533.19 2348.19,1533.19 2355,1540 2354.71,1540.29 v1(2354.71,1560.25)